# Altium PCB HV_Module_6W.PCBDOC (part 4 of 4)
Units mil, origin at the board's own origin, x right, y up, seen from the top; angles counter-clockwise.
Board outline 5826.77 x 3385.83 mil, 4 copper layers (Top, L2, L3, Bot), stack 62.992 mil thick; 457 components, 280 nets, 1264 pads, 435 vias.
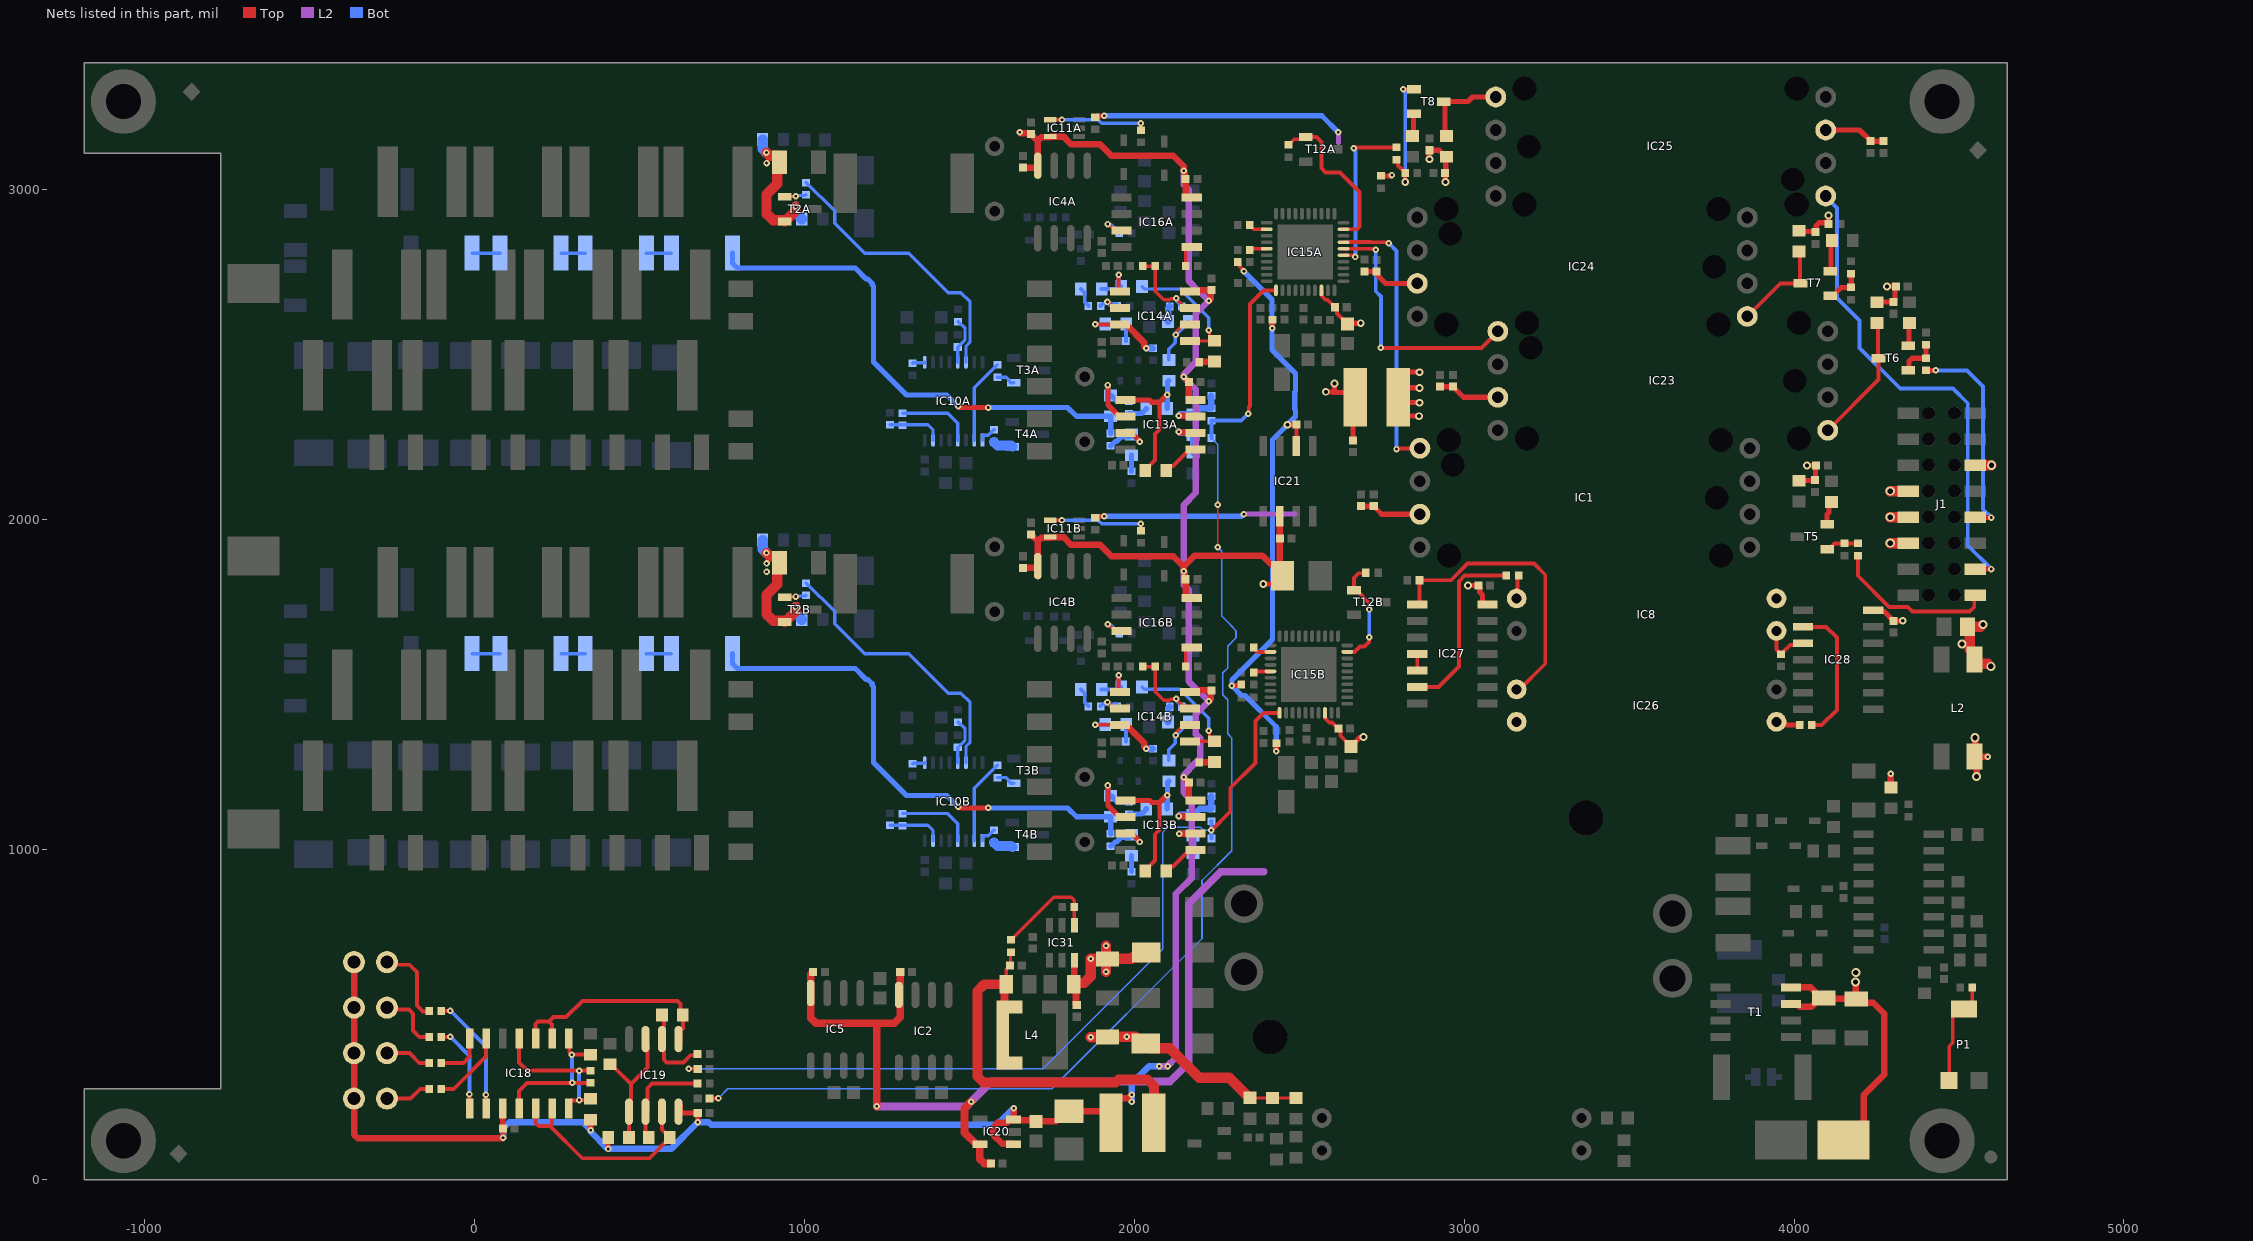
[diagram p6: the nets of this part, all layers, seen from the top]

## Via types
v1: diameter 19.68, hole 7.87, Top to Bot, tented both sides, 271 vias
v2: diameter 23.62, hole 11.81, Top to Bot, 80 vias
v3: diameter 19.68, hole 7.87, Top to Bot, 61 vias
v4: diameter 27.56, hole 15.75, Top to Bot, 23 vias

## Nets (pads, with @x,y where several pads share a name; then routed paths per layer and width w, separated by ;. In a path a pad name is that pad's centre, name@x,y a point inside that pad or via, vN(x,y) a via of type N, cw(c..) or ccw(c..) an arc to the next point about the centre after c; other vN are vias at no path point) (continued)
NetIC8_1: IC8.1 R23.1 | length 71.3
  Top w11.81: IC8.1@3159.45,1761.81 3162.4,1764.76 3162.4,1827.76 R23.1@3165.35,1830.71
NetIC8_3: IC8.3 IC28.3 R24.2 | length 159
  Top w11.81: IC8.3@3946.85,1663.39 3946.85,1607.09 3956.3,1597.64 3956.3,1596.85 3959.84,1593.31 3961.42,1593.31 3966.93,1598.82 3966.93,1599.61 3988.46,1621.13 4002.95,1621.13 4004.43,1622.61 4004.43,1625.79 IC28.3@4027.56,1625.79
NetIC10A_1: IC10A.1 R47A.1 | length 56.3
  Bot w10: IC10A.1@1540.55,2241.34 1540.55,2255.12 1541.46,2256.02 1558.39,2256.02 1575,2272.64 R47A.1@1575.79,2272.64
NetIC10A_2: IC10A.2 R44A.1 | length 257.6
  Bot w10: IC10A.2@1515.55,2241.34 1515.55,2400.2 1584.84,2469.49 R44A.1@1585.63,2469.49
NetIC10A_4: IC10A.4 R48A.1 | length 231.7
  Bot w10: R48A.1@1298.23,2323.45 1435.24,2323.45 1465.55,2293.14 IC10A.4@1465.55,2241.34
NetIC10A_7: IC10A.7 R48A.2 R49A.2 | length 167.3
  Bot w10: R49A.2@1260.83,2287.8 1375.39,2287.8 1390.55,2272.64 IC10A.7@1390.55,2241.34
NetIC10A_9: IC10A.9 R40A.1 | length 38.4
  Bot w10: R40A.1@1328.74,2474.68 1330.18,2476.12 1364.71,2476.12 1365.55,2476.96 IC10A.9@1365.55,2477.56
NetIC10A_13: IC10A.13 R45A.1 R46A.1 | length 142.1
  Bot w10: IC10A.13@1465.55,2477.56 R46A.1@1465.55,2523.76 1466.34,2523.76 R46A.1@1475.55,2532.97 ; R45A.1@1466.54,2600.79 1467.32,2600.79 1487.76,2580.35 1487.76,2545.21 R46A.1@1475.55,2533
NetIC10A_14: IC10A.14 R39A.1 | length 856.5
  Bot w10: R39A.1@1005.91,3022.05 1006.69,3022.05 1092.52,2936.22 1092.52,2899.05 1183.5,2808.07 1316.93,2808.07 1437.01,2687.99 1475.25,2687.99 1502.95,2660.29 1502.95,2539.19 1490.55,2526.79 IC10A.14@1490.55,2477.56
NetIC10B_1: IC10B.1 R47B.1 | length 56.3
  Bot w10: IC10B.1@1540.55,1027.76 1540.55,1041.54 1541.46,1042.44 1558.39,1042.44 1575,1059.06 R47B.1@1575.79,1059.06
NetIC10B_2: IC10B.2 R44B.1 | length 257.6
  Bot w10: IC10B.2@1515.55,1027.76 1515.55,1186.61 1584.84,1255.91 R44B.1@1585.63,1255.91
NetIC10B_4: IC10B.4 R48B.1 | length 231.7
  Bot w10: R48B.1@1298.23,1109.87 1435.24,1109.87 1465.55,1079.56 IC10B.4@1465.55,1027.76
NetIC10B_7: IC10B.7 R48B.2 R49B.2 | length 167.3
  Bot w10: R49B.2@1260.83,1074.21 1375.39,1074.21 1390.55,1059.06 IC10B.7@1390.55,1027.76
NetIC10B_9: IC10B.9 R40B.1 | length 38.4
  Bot w10: R40B.1@1328.74,1261.1 1330.18,1262.54 1364.71,1262.54 1365.55,1263.37 IC10B.9@1365.55,1263.98
NetIC10B_13: IC10B.13 R45B.1 R46B.1 | length 142.1
  Bot w10: IC10B.13@1465.55,1263.98 R46B.1@1465.55,1310.18 1466.34,1310.18 1475.55,1319.39 1487.76,1331.62 1487.76,1366.77 1467.32,1387.2 R45B.1@1466.54,1387.2
NetIC10B_14: IC10B.14 R39B.1 | length 856.5
  Bot w10: R39B.1@1005.91,1808.46 1006.69,1808.46 1092.52,1722.64 1092.52,1685.46 1183.5,1594.49 1316.93,1594.49 1437.01,1474.41 1475.25,1474.41 1502.95,1446.71 1502.95,1325.61 1490.55,1313.21 IC10B.14@1490.55,1263.98
NetIC11A_4: IC11A.4 R52A.1 | length 299.4
  Top w10: IC11A.4@1746.26,3212.6 v1(1781.5,3212.6) ; R52A.1@2020.28,3180.91 v1(2020.28,3201.85)
  Bot w10: v1(1781.5,3212.6) 1890.55,3212.6 1901.3,3201.85 v1(2020.28,3201.85)
NetIC11B_4: IC11B.4 R52B.1 | length 299.4
  Top w10: IC11B.4@1746.26,1999.02 v1(1781.5,1999.02) ; R52B.1@2020.28,1967.32 v1(2020.28,1988.27)
  Bot w10: v1(1781.5,1999.02) 1890.55,1999.02 1901.3,1988.27 v1(2020.28,1988.27)
NetIC13A_1: IC13A.1 R9A.1 R73A.2 R85A.2 | length 449.5
  Top w11.81: R73A.2@2034.06,2149.61 2034.06,2151.57 2063.78,2181.3 2063.78,2260.58 2077.01,2273.81 2077.01,2356.6
  Top w15.75: IC13A.1@1974.05,2363.03 2046.96,2363.03 2053.39,2356.6 2077.01,2356.6 2099.72,2379.32 v1(2100.79,2379.32)
  Bot w15.75: R9A.1@2099.61,2337.8 2100.2,2338.39 2100.2,2378.73 v1(2100.79,2379.32) 2101.54,2380.07 2101.54,2417.88 R85A.2@2105.12,2421.46
NetIC13A_2: IC13A.2 R18A.2 R63A.1 | length 226.8
  Top w15.75: v1(1920.47,2408.49) 1920.47,2347.91 1955.35,2313.03 IC13A.2@1974.05,2313.03
  Bot w15.75: v1(1920.47,2408.49) 1921.23,2407.74 1921.23,2384.88 R63A.1@1929.13,2376.97 1931.1,2376.97 1949.16,2358.91 R18A.2@1984.72,2358.91
NetIC13A_3: IC13A.3 R28A.2 R74A.1 | length 158.9
  Top w15.75: IC13A.3@1974.05,2263.03 1992.75,2263.03 2017.71,2238.07 v1(2017.71,2237.2)
  Bot w15.75: R74A.1@1929.13,2224.64 1929.92,2224.64 1942.64,2237.35 1946.67,2237.35 1960.61,2251.29 1984.72,2251.29 R28A.2@1992.32,2258.89 ; R28A.2@1998.89,2256.02 v1(2017.71,2237.2)
NetIC13A_5: IC13A.5 R73A.1 | length 117
  Top w11.81: R73A.1@2097.05,2149.61 2097.05,2151.57 2108.86,2163.39 2118.3,2163.39 2167.94,2213.03 IC13A.5@2186.65,2213.03
NetIC13A_6: IC13A.6 R60A.1 R61A.2 | length 152.5
  Top w20: v1(2135.82,2266.73) 2137.71,2264.84 2184.83,2264.84 IC13A.6@2186.65,2263.03
  Bot w20: v1(2135.82,2266.73) 2138.54,2264.02 2171.02,2264.02 R61A.2@2178.74,2256.3 R60A.1@2178.74,2203.35
NetIC13A_7: IC13A.7 R61A.1 R65A.2 R80A.2 | length 197.9
  Top w20: v1(2135.82,2315.94) 2136.92,2314.84 2184.83,2314.84 IC13A.7@2186.65,2313.03
  Bot w20: v1(2135.82,2315.94) 2139.17,2319.29 2180.71,2319.29 2199.21,2337.8 R80A.2@2234.25,2337.8 R65A.2@2234.25,2376.18
NetIC13B_1: IC13B.1 R9B.1 R73B.2 R85B.2 | length 449.5
  Top w11.81: R73B.2@2034.06,936.02 2034.06,937.99 2063.78,967.72 2063.78,1047 2077.01,1060.22 2077.01,1143.02
  Top w15.75: IC13B.1@1974.05,1149.45 2046.96,1149.45 2053.39,1143.02 2077.01,1143.02 2099.72,1165.74 v1(2100.79,1165.74)
  Bot w15.75: R9B.1@2099.61,1124.21 2100.2,1124.8 2100.2,1165.15 v1(2100.79,1165.74) 2101.54,1166.49 2101.54,1204.3 R85B.2@2105.12,1207.87
NetIC13B_2: IC13B.2 R18B.2 R63B.1 | length 226.8
  Top w15.75: v1(1920.47,1194.91) 1920.47,1134.32 1955.35,1099.45 IC13B.2@1974.05,1099.45
  Bot w15.75: v1(1920.47,1194.91) 1921.23,1194.16 1921.23,1171.29 R63B.1@1929.13,1163.39 1931.1,1163.39 1949.16,1145.33 R18B.2@1984.72,1145.33
NetIC13B_3: IC13B.3 R28B.2 R74B.1 | length 158.9
  Top w15.75: IC13B.3@1974.05,1049.45 1992.75,1049.45 2017.71,1024.48 v1(2017.71,1023.62)
  Bot w15.75: R74B.1@1929.13,1011.05 1929.92,1011.05 1942.64,1023.77 1946.67,1023.77 1960.61,1037.71 1984.72,1037.71 R28B.2@1992.32,1045.3 ; R28B.2@1998.89,1042.44 v1(2017.71,1023.62)
NetIC13B_5: IC13B.5 R73B.1 | length 117
  Top w11.81: R73B.1@2097.05,936.02 2097.05,937.99 2108.86,949.8 2118.3,949.8 2167.94,999.45 IC13B.5@2186.65,999.45
NetIC13B_6: IC13B.6 R60B.1 R61B.2 | length 147.1
  Top w20: v1(2137.01,1048.44) 2185.64,1048.44 IC13B.6@2186.65,1049.45
  Bot w20: v1(2137.01,1048.44) 2173.01,1048.44 R61B.2@2178.74,1042.72 R60B.1@2178.74,989.76
NetIC13B_7: IC13B.7 R61B.1 R65B.2 R80B.2 | length 197.9
  Top w20: v1(2135.82,1102.36) 2136.92,1101.26 2184.83,1101.26 IC13B.7@2186.65,1099.45
  Bot w20: v1(2135.82,1102.36) 2139.17,1105.71 2180.71,1105.71 2199.21,1124.21 R80B.2@2234.25,1124.21 R65B.2@2234.25,1162.6
NetIC14A_1: IC14A.1 R79A.1 R87A.2 | length 152.9
  Top w11.81: v1(1953.35,2742.64) 1953.35,2696.06 IC14A.1@1957.28,2692.13
  Bot w11.81: R79A.1@1901.57,2699.8 1953.35,2699.8 R87A.2@1960.83,2707.28 1953.35,2714.76 v1(1953.35,2742.64)
NetIC14A_2: IC14A.2 R82A.2 R119A.1 | length 98.2
  Top w11.81: IC14A.2@1957.28,2642.13 1938.58,2642.13 v1@1920.42,2660.29 ; v1@1920.42,2660.29 v1(1919.29,2660.29) v1@1920.42,2660.29
  Bot w11.81: R82A.2@1898.43,2648.48 1898.43,2649.27 1903.94,2654.78 v1@1911.65,2654.78
  Bot w15.75: v1(1919.29,2660.29) 1920.36,2660.29 1927.84,2652.81 1945.62,2652.81 1949.16,2649.27 R119A.1@1949.16,2648.48
NetIC14A_3: IC14A.3 R89A.1 R91A.2 | length 242.1
  Top w11.81: v1(1882.32,2592.72) 1882.61,2592.42 1956.99,2592.42 IC14A.3@1957.28,2592.13
  Top w20: IC14A.3@1957.28,2592.13 1959.09,2590.32 1977.8,2590.32 2030.31,2537.8 2030.31,2527.26 v1(2037.45,2520.13)
  Bot w11.81: v1(1882.32,2592.72) 1912.03,2592.72 R91A.2@1912.99,2593.68
  Bot w20: v1(2037.45,2520.13) 2057.03,2520.13 R89A.1@2057.09,2520.19
NetIC14A_5: IC14A.5 R87A.1 R88A.2 | length 390.3
  Top w10: IC14A.5@2169.88,2542.13 2241.67,2542.13 2242.13,2542.58 2229.41,2555.3 2229.41,2557.27 2228.23,2558.45 2228.23,2572.85 v1(2226.38,2574.7)
  Bot w10: R87A.1@2023.82,2707.28 2031.3,2699.8 2138.39,2699.8 2226.38,2611.81 v1(2226.38,2574.7)
NetIC14A_6: IC14A.6 R85A.1 R86A.2 | length 202.2
  Top w10: v1(2126.49,2561.31) 2128.34,2563.17 2128.34,2569.29 2151.18,2592.13 IC14A.6@2169.88,2592.13
  Bot w10: R85A.1@2105.12,2484.45 2105.12,2517.17 2124.64,2536.68 2124.64,2559.46 v1(2126.49,2561.31) 2127.9,2561.31 2165.6,2599.02 R86A.2@2165.6,2600.98
NetIC14A_7: IC14A.7 R83A.1 R90A.2 R94A.2 | length 305.6
  Top w10: R94A.2@2025.98,2768.7 2062.8,2768.7 R90A.2@2063.78,2769.69 2063.78,2692.73 2089.89,2666.62 2107.61,2666.62 2110.61,2669.62 2125.6,2669.62 v1(2127.45,2671.47) ; v1@2126.89,2670.28 2146.94,2650.22 2146.94,2648.94 2153.76,2642.13 IC14A.7@2169.88,2642.13 2163.07,2648.94 2151.18,2648.94 IC14A.7@2145.66,2648.94
  Bot w10: v1(2127.45,2671.47) 2129.3,2669.62 2129.3,2663.14 2144.6,2647.85 R83A.1@2144.6,2647.06
NetIC14B_1: IC14B.1 R79B.1 R87B.2 | length 152.9
  Top w11.81: v1(1953.35,1529.06) 1953.35,1482.48 IC14B.1@1957.28,1478.54
  Bot w11.81: R79B.1@1901.57,1486.22 1953.35,1486.22 R87B.2@1960.83,1493.7 1953.35,1501.18 v1(1953.35,1529.06)
NetIC14B_2: IC14B.2 R82B.2 R119B.1 | length 97
  Top w11.81: v1(1919.29,1446.71) 1920.42,1446.71 1938.58,1428.54 IC14B.2@1957.28,1428.54
  Bot w11.81: R82B.2@1898.43,1434.9 1898.43,1435.68 1903.94,1441.19 v1@1911.65,1441.19
  Bot w15.75: v1(1919.29,1446.71) 1920.36,1446.71 1927.84,1439.23 1945.62,1439.23 1949.16,1435.68 R119B.1@1949.16,1434.9
NetIC14B_3: IC14B.3 R89B.1 R91B.2 | length 242.1
  Top w11.81: v1(1882.32,1379.14) 1882.61,1378.84 1956.99,1378.84 IC14B.3@1957.28,1378.54
  Top w20: IC14B.3@1957.28,1378.54 1959.09,1376.73 1977.8,1376.73 2030.31,1324.21 2030.31,1313.68 v1(2037.45,1306.55)
  Bot w11.81: v1(1882.32,1379.14) 1912.03,1379.14 R91B.2@1912.99,1380.09
  Bot w20: v1(2037.45,1306.55) 2057.03,1306.55 R89B.1@2057.09,1306.6
NetIC14B_5: IC14B.5 R87B.1 R88B.2 | length 390.3
  Top w10: IC14B.5@2169.88,1328.54 2241.67,1328.54 2242.13,1329 2229.41,1341.72 2229.41,1343.69 2228.23,1344.86 2228.23,1359.26 v1(2226.38,1361.12)
  Bot w10: R87B.1@2023.82,1493.7 2031.3,1486.22 2138.39,1486.22 2226.38,1398.23 v1(2226.38,1361.12)
NetIC14B_6: IC14B.6 R85B.1 R86B.2 | length 202.2
  Top w10: v1(2126.49,1347.73) 2128.34,1349.58 2128.34,1355.71 2151.18,1378.54 IC14B.6@2169.88,1378.54
  Bot w10: R85B.1@2105.12,1270.87 2105.12,1303.58 2124.64,1323.1 2124.64,1345.88 v1(2126.49,1347.73) 2127.9,1347.73 2165.6,1385.43 R86B.2@2165.6,1387.4
NetIC14B_7: IC14B.7 R83B.1 R90B.2 R94B.2 | length 305.6
  Top w10: R94B.2@2025.98,1555.12 2062.8,1555.12 R90B.2@2063.78,1556.1 2063.78,1479.15 2089.89,1453.03 2107.61,1453.03 2110.61,1456.04 2125.6,1456.04 v1(2127.45,1457.89) ; v1@2126.89,1456.69 2146.94,1436.63 2146.94,1435.35 2153.76,1428.54 IC14B.7@2169.88,1428.54 2163.07,1435.35 2151.18,1435.35 IC14B.7@2145.66,1435.35
  Bot w10: v1(2127.45,1457.89) 2129.3,1456.04 2129.3,1449.56 2144.6,1434.27 R83B.1@2144.6,1433.48
NetIC15A_9: IC15A.9 R64A.2 T12A.1 | length 497.7
  Top w11.81: R64A.2@2467.72,3136.56 2468.5,3136.56 2485.29,3153.35 2513.58,3153.35 T12A.1@2520.47,3160.24 2552.36,3160.24 2567.72,3144.88 2567.72,3065.87 2580.44,3053.15 2623.87,3053.15 2683.07,2993.96 2683.07,2888.19 2675.43,2880.55 IC15A.9@2634.65,2880.55
NetIC15A_22: IC15A.22 R27A.1 | length 57.1
  Top w11.81: R27A.1@2351.18,2893.7 2351.18,2892.91 2363.55,2880.55 IC15A.22@2402.36,2880.55
NetIC15A_25: IC15A.25 R25A.1 | length 52.8
  Top w11.81: R25A.1@2351.18,2817.56 2355.12,2821.49 IC15A.25@2402.36,2821.49
NetIC15B_9: IC15B.9 R64B.2 T12B.1 | length 339.6
  Top w11.81: IC15B.9@2645.67,1600 2668.38,1600 2685.08,1616.7 2698.66,1616.7 2711.92,1629.96 2711.92,1643.96 v3(2712.6,1644.64) ; R64B.2@2702.66,1839.57 2701.25,1838.16 2680.44,1838.16 2666.26,1823.97 T12B.1@2666.26,1787.01 2674.13,1787.01 2712.6,1748.54 v3(2712.6,1728.35)
  Bot w11.81: v3(2712.6,1644.64) v3(2712.6,1728.35)
NetIC15B_22: IC15B.22 R27B.1 | length 57.1
  Top w11.81: R27B.1@2362.2,1613.15 2362.2,1612.36 2374.57,1600 IC15B.22@2413.39,1600
NetIC15B_25: IC15B.25 R25B.1 | length 52.4
  Top w11.81: R25B.1@2362.2,1537.99 2365.16,1540.94 IC15B.25@2413.39,1540.94
NetIC16A_3: IC16A.3 R78A.1 | length 96.3
  Top w10: v1(1920.47,2896.53) 1922.33,2894.67 1925.4,2894.67 1943.5,2876.57 IC16A.3@1962.2,2876.57
  Bot w10: v1(1920.47,2896.53) 1922.33,2894.67 1931.31,2894.67 1955.31,2870.67 R78A.1@1955.31,2869.88
NetIC16A_5: IC16A.5 R93A.1 | length 71.2
  Top w10: R93A.1@2156.5,2769.69 2156.5,2819.76 2163.31,2826.57 IC16A.5@2174.8,2826.57
NetIC16B_3: IC16B.3 R78B.1 | length 96.3
  Top w10: v1(1920.47,1682.94) 1922.33,1681.09 1925.4,1681.09 1943.5,1662.99 IC16B.3@1962.2,1662.99
  Bot w10: v1(1920.47,1682.94) 1922.33,1681.09 1931.31,1681.09 1955.31,1657.09 R78B.1@1955.31,1656.3
NetIC16B_5: IC16B.5 R93B.1 | length 71.2
  Top w10: R93B.1@2156.5,1556.1 2156.5,1606.18 2163.31,1612.99 IC16B.5@2174.8,1612.99
NetIC18_1: IC18.1 R67.2 | length 252.9
  Top w11.81: R67.2@-99.61,433.07 v3@-72.59,433.07 ; IC18.1@-13.94,232.09 v3@-13.94,259.1
  Top w15.75: v3@-72.59,433.07 v3(-72.3,433.37) ; v3(-14.23,259.4) v3@-13.94,259.1
  Bot w11.81: v3(-72.3,433.37) -14.23,375.3 v3(-14.23,259.4)
NetIC18_2: IC18.2 R109.2 | length 354.1
  Top w11.81: R109.2@-99.61,511.81 v3@-72.59,511.81 ; IC18.2@36.06,230.36 v3@36.06,257.37
  Top w15.75: v3@-72.59,511.81 v3(-72.3,512.11) ; v3(35.77,257.67) v3@36.06,257.37
  Bot w11.81: v3(-72.3,512.11) 35.77,404.04 v3(35.77,257.67)
NetIC18_4: IC18.4 IC18.8 R59.2 R108.1 | length 475.5
  Top w11.81: IC18.4@136.34,215.75 136.34,269.33 160.71,293.7 R108.1@352.88,293.7 ; IC18.8@286.34,428.35 288.27,426.42 288.27,387.04 v3(296.18,379.13) R59.2@352.88,379.13
  Bot w11.81: v3(296.18,379.13) 296.18,295.36 v3(297.24,294.29)
NetIC18_5: IC18.5 IC18.6 IC19.7 R56.1 | length 650.1
  Top w11.81: IC18.5@186.34,215.75 186.34,172.91 195.87,163.39 229.43,163.39 ; IC18.6@236.34,215.75 236.34,170.3 229.43,163.39 ; IC19.7@569.42,206.42 569.42,151.69 R56.1@583.04,138.06 ; R56.1@592.52,127.95 592.52,125.98 531.65,65.12 327.7,65.12 229.43,163.39
NetIC18_7: IC18.7 IC18.11 R5.1 R108.2 | length 478
  Top w11.81: IC18.11@136.34,428.35 136.34,355.86 161.5,330.71 R108.2@352.88,330.71 ; IC18.7@286.34,215.75 286.34,234.45 292.25,240.35 317.05,240.35 v3(318.34,241.64) 349.24,241.64 R5.1@352.88,245.28
  Bot w11.81: v3(318.34,241.64) 317.99,241.99 317.99,328.9 v3(319.02,329.92)
NetIC18_9: IC18.9 IC18.10 IC19.1 R69.1 | length 693.5
  Top w11.81: IC18.10@186.34,428.35 186.34,472.41 193.26,479.33 227.36,479.33 ; IC18.9@236.34,428.35 236.34,470.35 227.36,479.33 ; IC19.1@624.73,416.54 624.73,451.23 632.41,458.9 R69.1@632.41,499.21 625.67,505.95 625.67,533.21 616.56,542.32 328.18,542.32 278.7,492.84 240.87,492.84 227.36,479.33
NetIC18_13: IC18.13 R72.2 | length 231.1
  Top w11.81: R72.2@-99.61,275.59 -62.01,275.59 36.34,373.94 IC18.13@36.34,428.35
NetIC18_14: IC18.14 R70.2 | length 149
  Top w11.81: R70.2@-99.61,354.33 -32.38,354.33 -13.66,373.06 IC18.14@-13.66,428.35
NetIC19_2: IC19.2 R69.2 R71.1 | length 253.3
  Top w11.81: R69.2@569.42,499.21 574.73,493.9 574.73,416.54 574.73,364.17 583.04,355.86 634.37,355.86 655.72,377.22 673.01,377.22 R71.1@676.9,381.1
NetIC19_3: IC19.3 IC19.5 R66.1 R68.2 | length 399.2
  Top w11.81: R68.2@411.94,349.61 423.75,337.8 427.06,337.8 474.73,290.13 ; R66.1@469.42,127.71 469.42,222.24 474.73,227.56 474.73,290.13 ; IC19.3@524.73,416.54 524.73,340.13 474.73,290.13
NetIC19_6: IC19.6 R56.2 R57.1 | length 313.9
  Top w11.81: R56.2@529.53,127.95 519.42,138.06 519.42,201.1 524.73,206.42 524.73,277.22 539.3,291.79 671.38,291.79 R57.1@676.9,291.54
NetIC23_1: IC23.1 R6.1 T6.3 | length 390.4
  Top w11.81: IC23.1@4102.36,2271.26 4255.91,2424.8 T6.3@4255.91,2490.16 4253.94,2492.13 4253.94,2594.49 R6.1@4251.97,2596.46
NetIC24_1: IC24.1 R98.1 T7.3 | length 300.9
  Top w11.81: IC24.1@3858.27,2616.54 3958.27,2716.54 T7.3@4019.69,2716.54 4017.72,2718.5 4017.72,2811.02 R98.1@4015.75,2812.99
NetIC25_1: IC25.1 R102.1 T8.3 | length 270.5
  Top w15.75: R102.1@2946.06,3162.99 2942.52,3166.54 2942.52,3264.17 T8.3@2938.98,3267.72 3011.81,3267.72 3025.59,3281.5 IC25.1@3096.06,3281.5
NetIC26_1: IC26.1 R106.1 | length 74.2
  Top w15.75: IC26.1@3946.85,1387.8 3955.32,1379.33 3976.83,1379.33 3978.2,1377.95 R106.1@4016.93,1377.95
NetIC26_3: IC26.3 IC27.1 R21.2 | length 881.9
  Top w11.81: IC27.1@2857.48,1744.49 IC27.1@2858.27,1743.7 2859.06,1743.7 2864.96,1749.61 R21.2@2864.96,1816.93 2960.11,1816.93 3010.3,1867.13 3212.55,1867.13 3246.06,1833.61 3246.06,1563.78 3168.5,1486.22 IC26.3@3159.45,1486.22
NetIC27_4: IC27.4 IC27.5 | length 50
  Top w11.81: IC27.5@2858.27,1543.7 IC27.4@2858.27,1593.7
NetIC27_6: IC27.6 R23.2 | length 561.1
  Top w11.81: IC27.6@2858.27,1493.7 2922.83,1493.7 2984.25,1555.12 2984.25,1813.58 3001.38,1830.71 R23.2@3128.35,1830.71
NetIC28_2: IC28.2 R106.2 | length 429.5
  Top w11.81: IC28.2@4027.56,1675.79 4096.91,1675.79 4129.67,1643.02 4129.67,1423.96 4083.66,1377.95 R106.2@4053.94,1377.95
NetIC31_4: IC31.4 R7.1 R8.2 | length 324.8
  Top w10: R7.1@1626.43,727.17 1627.22,727.17 1756.35,856.3 1809.06,856.3 1818.9,846.46 IC31.4@1818.9,771.65
NetP1_2: P1.2 P1.3 R14.1 | length 321.1
  Top w10: P1.3@4470.24,301.18 4470.24,404 4481.15,414.9 4481.15,497.13 4501.74,517.72 P1.2@4515.52,517.72 4519.54,517.72 4540.13,538.31 R14.1@4540.13,582.87
NetR2_1: R2.1 R3.2 T5.1 | length 101.4
  Top w11.81: T5.1@4100.39,1911.42 4108.27,1911.42 4113.19,1916.34 4113.19,1919.52 4122.41,1928.74 R3.2@4152.76,1928.74 ; R3.2@4153.54,1928.74 4153.71,1928.57 4193.22,1928.57 R2.1@4193.39,1928.41
NetR4_2: R4.2 T5.2 | length 73.4
  Top w15.75: T5.2@4100.39,1986.22 4100.39,2016.93 4106.13,2022.67 4106.13,2045.89 R4.2@4114.17,2053.94
NetR9A_2: R9A.2 R18A.1 | length 59.6
  Bot w15.75: R18A.1@1984.72,2321.9 2022.69,2321.9 2036.61,2335.83 R9A.2@2036.61,2337.8
NetR9B_2: R9B.2 R18B.1 | length 59.6
  Bot w15.75: R18B.1@1984.72,1108.32 2022.69,1108.32 2036.61,1122.24 R9B.2@2036.61,1124.21
NetR28A_1: R28A.1 R58A.2 | length 48.5
  Bot w15.75: R58A.2@1992.32,2147.44 R28A.1@1992.32,2195.9
NetR28B_1: R28B.1 R58B.2 | length 48.5
  Bot w15.75: R58B.2@1992.32,933.86 R28B.1@1992.32,982.31
NetR39A_2: R39A.2 T2A.1 | length 67
  Top w10: T2A.1@941.37,2979.13 942.39,2980.16 973.39,2980.16 v1(974.41,2981.18)
  Bot w10: v1(974.41,2981.18) 976.26,2983.03 1003.9,2983.03 R39A.2@1005.91,2985.04
NetR39B_2: R39B.2 T2B.1 | length 67
  Top w10: T2B.1@941.37,1765.55 942.39,1766.57 973.39,1766.57 v1(974.41,1767.6)
  Bot w10: v1(974.41,1767.6) 976.26,1769.45 1003.9,1769.45 R39B.2@1005.91,1771.46
NetR44A_2: R44A.2 T3A.1 | length 58.4
  Bot w10: R44A.2@1585.63,2432.48 1612.83,2432.48 1619.17,2426.14 1619.17,2422.36 1625.98,2415.55 T3A.1@1634.84,2415.55
NetR44B_2: R44B.2 T3B.1 | length 58.4
  Bot w10: R44B.2@1585.63,1218.9 1612.83,1218.9 1619.17,1212.56 1619.17,1208.78 1625.98,1201.97 T3B.1@1634.84,1201.97
NetR47A_2: R47A.2 T4A.1 | length 60.9
  Bot w30: R47A.2@1575.79,2235.63 1586.45,2224.97 1627.8,2224.97 T4A.1@1630.98,2221.78
NetR47B_2: R47B.2 T4B.1 | length 60.9
  Bot w30: R47B.2@1575.79,1022.05 1586.45,1011.39 1627.8,1011.39 T4B.1@1630.98,1008.2
NetR63A_2: R63A.2 R74A.2 R81A.1 | length 1558.7
  Top w15.75: v1(1466.54,2344.16) 1467.6,2344.16 1471.35,2340.41 v1(1558.39,2340.41)
  Bot w15.75: R81A.1@782.56,2808.07 782.56,2777.56 797.33,2762.8 1155.12,2762.8 1187.91,2730 1192.91,2730 1206.21,2716.69 1206.21,2711.7 1210.63,2707.28 1210.63,2477.91 1310.17,2378.37 1432.33,2378.37 v1(1466.54,2344.16) ; v1(1558.39,2340.41) 1798.57,2340.41 1825,2313.98 R63A.2@1929.13,2313.98 R74A.2@1929.13,2261.64
NetR63B_2: R63B.2 R74B.2 R81B.1 | length 1558.7
  Top w15.75: v1(1466.54,1130.58) 1467.6,1130.58 1471.35,1126.82 v1(1558.39,1126.82)
  Bot w15.75: R81B.1@782.56,1594.49 782.56,1563.98 797.33,1549.21 1155.12,1549.21 1187.91,1516.42 1192.91,1516.42 1206.21,1503.11 1206.21,1498.12 1210.63,1493.7 1210.63,1264.32 1310.17,1164.78 1432.33,1164.78 v1(1466.54,1130.58) ; v1(1558.39,1126.82) 1798.57,1126.82 1825,1100.39 R63B.2@1929.13,1100.39 R74B.2@1929.13,1048.06